# KiCad board Tiling_Flex_V1.kicad_pcb (continued)
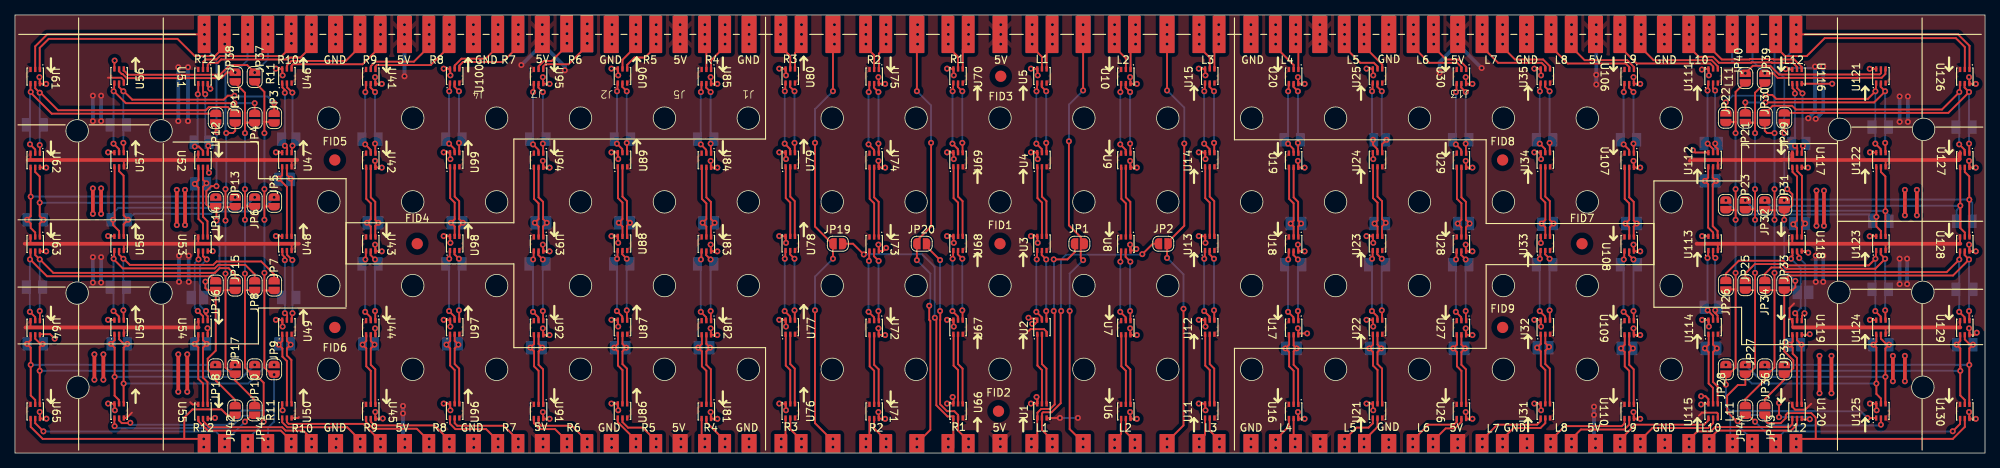
[diagram p0: board, top side]
## Routing (per net, layer and track width the routed paths; a pad name or vN(x,y) marks a point on that pad's centre or on a via; arc(x,y) is an arc through that point) (continued)
Net-(J32-Pin_1): length 2.2
  Top w0.25: U5.4 137.73,53.63
  vias: v1(138.5,57.3) v1(138.5,56) v1(138.5,54.7)
Net-(J32-Pin_2): length 3.2
  Top w0.25: U5.5 137.1,53 136,54.1
  vias: v1(135.8,57.3) v1(135.8,56) v1(135.8,54.7)
Net-(J33-Pin_1): length 57.8
  Top w0.25: v1(142.6,48.5) 142.6,56.1 ; v1(142.6,25.8) 142.28,26.12 142.28,28.88 140.7,30.46 v1(140.7,41.7) ; v1(140.8,19) 140.8,3.2 142.6,1.4
  Bottom w0.25: v1(142.6,48.5) 140.7,46.6 v1(140.7,41.7) ; v1(140.8,19) 140.8,24 v1(142.6,25.8)
  vias: v1(142.6,57.3) v1(142.6,56) v1(142.6,54.7) v1(142.6,1.9) v1(142.6,0.8)
Net-(J33-Pin_2): length 58.4
  Top w0.25: v1(156,19.3) 156,3.7 153.8,1.5 153.8,1.4 ; v1(153.8,48.5) 153.8,56.1 ; v1(153.8,26.1) 153.8,28.1 156.1,30.4 v1(156.1,41.4)
  Bottom w0.25: v1(153.8,48.5) 156.1,46.2 v1(156.1,41.4) ; v1(156,19.3) 156,23.9 v1(153.8,26.1)
  vias: v1(153.8,57.3) v1(153.8,56) v1(153.8,54.7) v1(153.8,1.9) v1(153.8,0.8)
Net-(J35-Pin_1): length 3.1
  Top w0.25: 146.9,1.8 147.67,2.57 U6.4
  vias: v1(146.8,1.8) v1(146.8,0.7)
Net-(J35-Pin_2): length 3.2
  Top w0.25: U6.5 148.3,2.8 149.3,1.8
  vias: v1(149.5,1.8) v1(149.5,0.7)
Net-(J36-Pin_1): length 3.2
  Top w0.25: U10.2 148.3,52.8 147.1,54
  vias: v1(146.8,57.3) v1(146.8,56) v1(146.8,54.7)
Net-(J36-Pin_2): length 4.1
  Top w0.25: U10.1 148.93,55.43
  vias: v1(149.6,57.3) v1(149.6,56) v1(149.6,54.7)
Net-(J37-Pin_1): length 3.4
  Top w0.25: 160.7,1.8 159.5,3 U11.2
  vias: v1(160.8,1.9) v1(160.8,0.8)
Net-(J37-Pin_2): length 3.2
  Top w0.25: U11.1 158.87,2.47 158.2,1.8
  vias: v1(158.1,1.9) v1(158.1,0.8)
Net-(J38-Pin_1): length 4
  Top w0.25: U15.4 160.13,55.33
  vias: v1(160.7,57.3) v1(160.7,56) v1(160.7,54.7)
Net-(J38-Pin_2): length 3.1
  Top w0.25: U15.5 159.5,52.9 158.4,54
  vias: v1(158.1,57.3) v1(158.1,56) v1(158.1,54.7)
Net-(J39-Pin_1): length 3.6
  Top w0.25: U16.4 170.07,3.57 v1(168.3,1.8)
  vias: v1(168.3,0.7)
Net-(J39-Pin_2): length 2.5
  Top w0.25: U16.5 170.7,2.1
  vias: v1(170.9,1.9) v1(170.9,0.8)
Net-(J40-Pin_1): length 3.8
  Top w0.25: U20.2 170.7,51.9 168.4,54.2
  vias: v1(168.3,57.3) v1(168.3,56) v1(168.3,54.7)
Net-(J40-Pin_2): length 4.3
  Top w0.25: U20.1 171.33,55.57
  vias: v1(171,57.3) v1(171,56) v1(171,54.7)
Net-(J41-Pin_1): length 3.5
  Top w0.25: 180.3,1.9 181.9,3.5 U21.2
  vias: v1(180.1,1.9) v1(180.1,0.8)
Net-(J41-Pin_2): length 5.4
  Top w0.25: U21.1 181.27,3.97 180.7,3.4 179.1,3.4 177.5,1.8
  vias: v1(177.5,1.9) v1(177.5,0.8)
Net-(J42-Pin_1): length 3.6
  Top w0.25: 180.4,54.1 182.53,51.97 U25.4
  vias: v1(180.1,57.3) v1(180.1,56) v1(180.1,54.7)
Net-(J42-Pin_2): length 5.7
  Top w0.25: 177.6,54.2 179.6,52.2 181.41,52.2 181.9,51.71 U25.5
  vias: v1(177.5,57.3) v1(177.5,56) v1(177.5,54.7)
Net-(J43-Pin_1): length 7.1
  Top w0.25: U26.4 192.47,4.17 192.1,3.8 188.7,3.8 186.8,1.9
  vias: v1(186.6,1.9) v1(186.6,0.8)
Net-(J43-Pin_2): length 5.2
  Top w0.25: 189.4,1.7 191,3.3 192.24,3.3 193.1,4.16 U26.5
  vias: v1(189.3,1.9) v1(189.3,0.8)
Net-(J44-Pin_1): length 7.8
  Top w0.25: U30.2 193.1,51.64 192.54,52.2 188.8,52.2 186.7,54.3
  vias: v1(186.7,57.3) v1(186.7,56) v1(186.7,54.7)
Net-(J44-Pin_2): length 5.9
  Top w0.25: 189.3,54.4 191.05,52.65 192.73,52.65 193.73,51.65 U30.1
  vias: v1(189.4,57.3) v1(189.4,56) v1(189.4,54.7)
Net-(J45-Pin_1): length 7.3
  Top w0.25: v1(198.6,1.9) 200.05,3.35 203.65,3.35 204.3,4 204.3,4.7
  vias: v1(198.6,0.8)
Net-(J45-Pin_2): length 9.1
  Top w0.25: 196,1.9 197.9,3.8 203.2,3.8 203.67,4.27 U31.1
  vias: v1(195.9,1.9) v1(195.9,0.8)
Net-(J46-Pin_1): length 7.9
  Top w0.25: U35.4 204.93,51.72 204,52.65 200.25,52.65 198.5,54.4
  vias: v1(198.6,57.3) v1(198.6,56) v1(198.6,54.7)
Net-(J46-Pin_2): length 9.8
  Top w0.25: U35.5 204.3,51.71 203.81,52.2 198,52.2 195.9,54.3
  vias: v1(195.9,57.3) v1(195.9,56) v1(195.9,54.7)
Net-(J47-Pin_1): length 10
  Top w0.25: U45.2 47.5,11 46.9,11.6 46.9,14 v1(46.4,14.5) 46.9,15 46.9,15.8
Net-(J48-Pin_1): length 10
  Top w0.25: U110.2 215.5,11 214.9,11.6 214.9,13.5 v1(214.4,14) 214.9,14.5 214.9,15.8
Net-(J49-Pin_1): length 9.3
  Top w0.25: 55.3,54.4 53.25,52.35 48.11,52.35 47.5,51.74 U41.2
  vias: v1(55.3,57.3) v1(55.3,56) v1(55.3,54.7)
Net-(J49-Pin_2): length 11.3
  Top w0.25: U41.1 48.13,51.73 48.3,51.9 55.5,51.9 57.9,54.3
  vias: v1(58,57.3) v1(58,56) v1(58,54.7)
Net-(J50-Pin_1): length 9.6
  Top w0.25: 55.1,1.8 53.65,3.25 47.81,3.25 46.87,4.19 U45.4
  vias: v1(55.3,1.9) v1(55.3,0.8)
Net-(J50-Pin_2): length 11.7
  Top w0.25: 57.8,1.9 56,3.7 48,3.7 47.5,4.2 U45.5
  vias: v1(58,1.9) v1(58,0.8)
Net-(J51-Pin_1): length 13.4
  Top w0.25: U46.4 36.93,51.83 37.1,52 46.4,52 48.8,54.4
  vias: v1(48.8,57.3) v1(48.8,56) v1(48.8,54.7)
Net-(J51-Pin_2): length 11.3
  Top w0.25: 46.1,54.4 44.15,52.45 36.91,52.45 36.3,51.84 U46.5
  vias: v1(46.1,57.3) v1(46.1,56) v1(46.1,54.7)
Net-(J52-Pin_1): length 13.7
  Top w0.25: 48.5,1.9 46.5,3.9 36.54,3.9 36.3,4.14 U50.2
  vias: v1(48.8,1.9) v1(48.8,0.8)
Net-(J52-Pin_2): length 11.9
  Top w0.25: 46,1.8 44.35,3.45 36.35,3.45 35.67,4.13 U50.1
  vias: v1(46.1,1.9) v1(46.1,0.8)
Net-(J53-Pin_1): length 13.6
  Top w0.25: 25.1,51.3 25.1,52.3 25.45,52.65 26.89,52.65 27.34,53.1 35.6,53.1 36.85,54.35
  vias: v1(36.9,57.4) v1(36.9,56.1) v1(36.9,54.8)
Net-(J53-Pin_2): length 15.2
  Top w0.25: U51.1 25.73,51.93 26,52.2 27.07,52.2 27.52,52.65 36.45,52.65 36.7,52.9 38.1,52.9 39.4,54.2
  vias: v1(39.6,57.3) v1(39.6,56) v1(39.6,54.7)
Net-(J54-Pin_1): length 13.5
  Top w0.25: 36.6,1.9 35.5,3 25.75,3 24.47,4.28 U55.4
  vias: v1(36.9,1.9) v1(36.9,0.8)
Net-(J54-Pin_2): length 15.8
  Top w0.25: 25.1,4.6 25.1,4.29 25.94,3.45 35.69,3.45 36.14,3 38.5,3 v1(39.6,1.9)
  vias: v1(39.6,0.8)
Net-(J55-Pin_1): length 24.5
  Top w0.25: 14.53,51.17 15.1,50.6 27.36,50.6 28.66,51.9 31,51.9 v1(32,50.9)
  Bottom w0.25: J55.1 33.75,52.65 v1(32,50.9)
  vias: v1(33.8,57.3) v1(33.8,56) v1(33.8,54.7)
Net-(J55-Pin_2): length 22.3
  Top w0.25: U56.5 13.9,51.05 14.24,50.7 14.36,50.7 14.91,50.15 27.55,50.15 28.3,50.9 v1(29.4,50.9)
  Bottom w0.25: J55.2 31.05,52.55 v1(29.4,50.9)
  vias: v1(31.1,57.3) v1(31.1,56) v1(31.1,54.7)
Net-(J56-Pin_1): length 74.8
  Top w0.25: 33.3,44.3 33.3,48.3 32,49.6 ; 33.3,44.3 34.6,44.3 ; 33.3,44.3 v1(33.3,42.8) ; 33.4,33 34.6,33 ; JP7.2 33.35,21.75 33.3,21.8 ; 34.19,10.55 33.3,11.44 v1(33.3,24.1) ; v1(33.3,35.3) v1(33.3,31.2) ; U60.2 13.9,4.36 14.26,4 15.4,4
  Bottom w0.25: v1(33.3,42.8) v1(33.3,35.3) ; v1(33.3,24.1) v1(33.3,31.2) ; 34.6,5.7 34.6,4.2 33.8,3.4 v1(33.8,1.9) ; 34.6,5.7 v1(34.6,10.5) ; 34.6,5.7 30.3,5.7 28.38,3.78 15.72,3.78 15.45,4.05
  vias: v1(15.4,4.05) v1(33.8,0.8)
Net-(J56-Pin_2): length 75.9
  Top w0.25: 32,21.8 30.8,21.8 30.7,21.7 ; 29.4,49.5 30.7,48.2 30.7,44.2 ; 30.7,21.7 v1(30.7,24) ; 30.7,21.7 30.7,11.44 31.59,10.55 ; 30.8,33 32,33 ; 30.7,44.2 v1(30.7,42.8) ; 30.7,44.2 32,44.2 ; U60.1 13.27,3.63 ; v1(30.7,35.3) v1(30.7,31.2) ; 32,10.6 33.2,9.4 v1(33.2,4.2)
  Bottom w0.25: v1(13.3,3.6) 13.58,3.32 28.71,3.32 30.39,5 32.4,5 v1(33.2,4.2) 33.2,4 v1(31.1,1.9) ; v1(30.7,24) v1(30.7,31.2) ; v1(30.7,42.8) v1(30.7,35.3)
  vias: v1(31.1,0.8)
Net-(J57-Pin_1): length 82
  Top w0.25: v1(27,42.9) 26.8,43.1 26.8,44.2 ; 2.7,51.3 2.7,54.4 4.3,56 J57.1 ; 26.9,32.45 v1(26.9,31.1) ; JP18.2 26.8,9.7 29.4,7.1 29.4,6.3 ; JP14.2 25.85,32.95 25.55,33.25 25.55,35.05 26.2,35.7 v1(26.9,35.7) ; 26.39,10.55 25.72,11.22 25.72,12.62 26.8,13.7 26.8,21.8 25.7,21.8 25.42,22.08 v1(25.42,22.93)
  Bottom w0.25: v1(26.9,35.7) 26.9,42.8 v1(27,42.9) 26.9,43 26.9,52.7 25.25,54.35 ; v1(26.9,31.1) 27.3,30.7 27.3,24.8 25.4,22.9
  vias: v1(25.3,57.3) v1(25.3,56) v1(25.3,54.7)
Net-(J57-Pin_2): length 85
  Top w0.25: 28.1,21.8 28.1,11.44 28.99,10.55 ; 28.1,21.8 29.4,21.8 ; 28.1,21.8 v1(28.1,24) ; JP17.1 29.4,9.7 32,7.1 32,6.3 ; 28.1,42.8 29.1,42.8 29.4,43.1 29.4,44.2 ; 3.3,51.3 3.3,54.2 4.5,55.4 21.7,55.4 24,53.1 26.7,53.1 27.4,53.8 ; 28.1,32.9 29.5,32.9 ; v1(28.1,35.3) v1(28.1,31.1)
  Bottom w0.25: v1(28.1,35.3) 28.2,35.4 v1(28.2,42.8) 28.1,42.9 28.1,55.85 ; v1(28.1,31.1) v1(28.1,24)
  vias: v1(28,57.3) v1(28,56) v1(28,54.7)
Net-(J58-Pin_1): length 35.4
  Top w0.25: JP42.1 28.35,5.05 27.56,5.84 23.69,5.84 22.6,4.75 22.6,1.9 ; v1(25.2,1.9) 3.7,1.9 2.1,3.5 2.1,4.7
  vias: v1(25.2,0.8)
Net-(J58-Pin_2): length 31
  Top w0.25: v1(3.8,2.9) 2.7,4 U65.5 ; v1(30.7,4.2) 31.55,5.05
  Bottom w0.25: v1(30.7,4.2) 28.4,1.9 ; 27.8,1.9 26.83,2.88 3.83,2.88 v1(3.8,2.9)
  vias: v1(28,1.9) v1(28,0.8)
Net-(J59-Pin_1): length 28.9
  Top w0.25: U66.2 125.9,3 127.2,1.7 ; v1(123.5,25.81) 121.7,27.61 ; v1(123.5,19) 123.53,18.97 123.53,17.8 123.5,17.77 123.5,6.52 124.42,5.6 125.4,5.6 125.9,5.1 125.9,4.6
  Bottom w0.25: v1(123.5,25.81) v1(123.5,19)
  vias: v1(127.3,1.9) v1(127.3,0.8)
Net-(J59-Pin_2): length 39.1
  Top w0.25: U66.1 125.27,0.67 ; v1(113.32,26.56) 111.88,28 JP19.1 ; 125.3,4.9 124.49,4.9 123,6.39 123,17.9 v1(122.8,18.1)
  Bottom w0.25: v1(122.8,18.1) 122.78,18.12 122.78,24.93 121.1,26.6 113.35,26.6 v1(113.32,26.56)
  vias: v1(124.6,1.9) v1(124.6,0.8)
Net-(J60-Pin_1): length 2.6
  Top w0.25: U70.4 126.53,53.93
  vias: v1(127.3,57.3) v1(127.3,56) v1(127.3,54.7)
Net-(J60-Pin_2): length 3.2
  Top w0.25: U70.5 125.9,53 124.8,54.1
  vias: v1(124.6,57.3) v1(124.6,56) v1(124.6,54.7)
Net-(J61-Pin_1): length 58.7
  Top w0.25: v1(109.2,26) 109.2,27.9 106.8,30.3 v1(106.8,41.5) ; v1(109.2,48.4) J61.1 ; J62.1 109.2,1.6 106.8,4 v1(106.8,19.1)
  Bottom w0.25: v1(109.2,48.4) 106.8,46 v1(106.8,41.5) ; v1(106.8,19.1) 106.8,23.6 v1(109.2,26)
  vias: v1(109.2,1.9) v1(109.2,0.8) v1(109.4,57.3) v1(109.4,56) v1(109.4,54.7)
Net-(J61-Pin_2): length 57.9
  Top w0.25: v1(122.05,19.7) 122.05,17.82 122.2,17.67 122.2,3.1 J62.2 ; v1(120.4,25.8) 120.4,28.41 122.3,30.31 v1(122.3,41.5) ; v1(120.4,48.4) J61.2
  Bottom w0.25: v1(122.3,41.5) 122.3,46.5 v1(120.4,48.4) ; v1(122.05,19.7) 122.2,19.85 122.2,24 v1(120.4,25.8)
  vias: v1(120.4,1.9) v1(120.4,0.8) v1(120.5,57.3) v1(120.5,56) v1(120.5,54.7)
Net-(J63-Pin_1): length 2.2
  Top w0.25: U71.4 114.07,2.37
  vias: v1(113.6,1.9) v1(113.6,0.8)
Net-(J63-Pin_2): length 3.3
  Top w0.25: U71.5 114.7,3.3 116.1,1.9
  vias: v1(116.3,1.9) v1(116.3,0.8)
Net-(J64-Pin_1): length 3.3
  Top w0.25: U75.2 114.7,53.2 113.7,54.2
  vias: v1(113.6,57.3) v1(113.6,56) v1(113.6,54.7)
Net-(J64-Pin_2): length 3.4
  Top w0.25: U75.1 115.33,53.43 116.2,54.3
  vias: v1(116.3,57.3) v1(116.3,56) v1(116.3,54.7)
Net-(J65-Pin_1): length 3.5
  Top w0.25: U76.2 103.5,3.2 104.9,1.8
  vias: v1(105,1.9) v1(105,0.8)
Net-(J65-Pin_2): length 3.2
  Top w0.25: U76.1 102.87,2.47 102.2,1.8
  vias: v1(102.3,1.9) v1(102.3,0.8)
Net-(J66-Pin_1): length 3.1
  Top w0.25: U80.4 104.13,53.53 104.8,54.2
  vias: v1(105,57.3) v1(105,56) v1(105,54.7)
Net-(J66-Pin_2): length 3.4
  Top w0.25: 102.3,54.3 103.5,53.1 U80.5
  vias: v1(102.2,57.3) v1(102.2,56) v1(102.2,54.7)
Net-(J67-Pin_1): length 2.3
  Top w0.25: U81.4 91.67,2.33
  vias: v1(92.1,1.9) v1(92.1,0.8)
Net-(J67-Pin_2): length 3.6
  Top w0.25: U81.5 92.3,4.12 94.52,1.9
  vias: v1(94.8,1.9) v1(94.8,0.8)
Net-(J68-Pin_1): length 4.5
  Top w0.25: U85.2 92.3,55.8
  vias: v1(92.1,57.3) v1(92.1,56) v1(92.1,54.7)
Net-(J68-Pin_2): length 3.7
  Top w0.25: 94.7,54.3 92.93,52.53 U85.1
  vias: v1(94.8,57.3) v1(94.8,56) v1(94.8,54.7)
Net-(J69-Pin_1): length 5.8
  Top w0.25: 85.4,1.8 83.8,3.4 81.84,3.4 81.1,4.14 U86.2
  vias: v1(85.6,1.9) v1(85.6,0.8)
Net-(J69-Pin_2): length 4
  Top w0.25: U86.1 80.47,4.13 82.9,1.7
  vias: v1(82.9,1.9) v1(82.9,0.8)
Net-(J70-Pin_1): length 5.3
  Top w0.25: 85.5,54.3 84.1,52.9 82.7,52.9 81.73,51.93 U90.4
  vias: v1(85.6,57.3) v1(85.6,56) v1(85.6,54.7)
Net-(J70-Pin_2): length 3.6
  Top w0.25: 82.8,54.3 81.1,52.6 U90.5
  vias: v1(82.9,57.3) v1(82.9,56) v1(82.9,54.7)
Net-(J71-Pin_1): length 5.6
  Top w0.25: U91.4 69.27,3.99 70.06,3.2 72.1,3.2 73.4,1.9
  vias: v1(73.7,1.9) v1(73.7,0.8)
Net-(J71-Pin_2): length 7.8
  Top w0.25: 76.2,1.8 74.35,3.65 70.25,3.65 69.9,4 U91.5
  vias: v1(76.4,1.9) v1(76.4,0.8)
Net-(J72-Pin_1): length 5.2
  Top w0.25: 73.6,54.4 71.65,52.45 70.61,52.45 69.9,51.74 U95.2
  vias: v1(73.7,57.4) v1(73.7,56.1) v1(73.7,54.8)
Net-(J72-Pin_2): length 7.4
  Top w0.25: U95.1 70.53,51.73 70.8,52 73.9,52 76.4,54.5
  vias: v1(76.4,57.4) v1(76.4,56.1) v1(76.4,54.8)
Net-(J73-Pin_1): length 10
  Top w0.25: 67.1,1.8 65.25,3.65 59.05,3.65 58.7,4 U96.2
  vias: v1(67.2,1.9) v1(67.2,0.8)
Net-(J73-Pin_2): length 7.7
  Top w0.25: U96.1 58.07,3.93 58.8,3.2 62.9,3.2 64.2,1.9
  vias: v1(64.5,1.9) v1(64.5,0.8)
Net-(J74-Pin_1): length 9.4
  Top w0.25: U100.4 59.33,51.83 59.8,52.3 65.1,52.3 67.2,54.4
  vias: v1(67.2,57.3) v1(67.2,56) v1(67.2,54.7)
Net-(J74-Pin_2): length 7.2
  Top w0.25: 64.4,54.3 62.85,52.75 59.61,52.75 58.7,51.84 U100.5
  vias: v1(64.5,57.3) v1(64.5,56) v1(64.5,54.7)
Net-(J75-Pin_1): length 10
  Top w0.25: 48.1,6.5 48.1,11.2 47.5,11.8 47.5,14 v1(48,14.5) 47.5,15 U44.5
Net-(J76-Pin_1): length 10
  Top w0.25: U109.5 215.5,14.5 v1(216,14) 215.5,13.5 215.5,11.8 216.1,11.2 216.1,6.5
Net-(J77-Pin_1): length 11.8
  Top w0.25: U106.2 215.5,51.64 215.04,52.1 207.3,52.1 205.1,54.3
  vias: v1(205.1,57.3) v1(205.1,56) v1(205.1,54.7)
Net-(J77-Pin_2): length 9.8
  Top w0.25: 207.8,54.3 209.55,52.55 215.23,52.55 216.13,51.65 U106.1
  vias: v1(207.8,57.3) v1(207.8,56) v1(207.8,54.7)
Net-(J78-Pin_1): length 11.3
  Top w0.25: U110.4 214.87,3.97 214.5,3.6 206.9,3.6 205.1,1.8
  vias: v1(205,1.9) v1(205,0.8)
Net-(J78-Pin_2): length 9.3
  Top w0.25: v1(207.8,1.9) 209.05,3.15 214.85,3.15 215.5,3.8 215.5,4.6
  vias: v1(207.8,0.8)
Net-(J79-Pin_1): length 11.7
  Top w0.25: 217,54.3 218.75,52.55 226.5,52.55 227.33,51.72 U111.4
  vias: v1(217.1,57.3) v1(217.1,56) v1(217.1,54.7)
Net-(J79-Pin_2): length 13.7
  Top w0.25: U111.5 226.7,51.71 226.31,52.1 216.5,52.1 214.4,54.2
  vias: v1(214.3,57.3) v1(214.3,56) v1(214.3,54.7)
Net-(J80-Pin_1): length 11.1
  Top w0.25: 217.15,1.9 218.6,3.35 226.05,3.35 226.7,4 226.7,4.7
  vias: v1(217,1.9) v1(217,0.8)
Net-(J80-Pin_2): length 13
  Top w0.25: 214.4,1.9 216.3,3.8 225.5,3.8 226.1,4.4 226.1,4.7
  vias: v1(214.3,1.9) v1(214.3,0.8)
Net-(J81-Pin_1): length 15.9
  Top w0.25: 223.5,54.3 224.8,53 226.68,53 227.48,52.2 231.76,52.2 231.81,52.25 234.52,52.25 234.57,52.2 237.34,52.2 237.9,51.64 U116.2
  vias: v1(223.5,57.3) v1(223.5,56) v1(223.5,54.7)
Net-(J81-Pin_2): length 13.9
  Top w0.25: 226.1,54.4 227.85,52.65 231.58,52.65 231.63,52.7 234.71,52.7 234.76,52.65 237.53,52.65 238.53,51.65 U116.1
  vias: v1(226.2,57.3) v1(226.2,56) v1(226.2,54.7)
Net-(J82-Pin_1): length 15.4
  Top w0.25: 223.5,1.8 224.6,2.9 226.4,2.9 226.98,3.47 236.88,3.47 237.27,3.87 U120.4
  vias: v1(223.5,1.9) v1(223.5,0.8)
Net-(J82-Pin_2): length 13.3
  Top w0.25: 237.9,4.6 237.9,3.8 237.1,3 227.3,3 v1(226.2,1.9)
  vias: v1(226.2,0.8)
Net-(J83-Pin_1): length 23.2
  Top w0.25: v1(233.6,50.8) 234.7,50.8 235.31,50.19 245.92,50.19 245.94,50.2 249.2,50.2 249.7,50.7 249.7,51.4
  Bottom w0.25: J83.1 231.95,52.45 v1(233.6,50.8)
  vias: v1(232,57.3) v1(232,56) v1(232,54.7)
Net-(J83-Pin_2): length 25.6
  Top w0.25: 245.75,50.65 248.95,50.65 249.1,50.8 U121.5 ; v1(231,50.8) 232,51.8 234.34,51.8 235.5,50.64 245.74,50.64
  Bottom w0.25: v1(231,50.8) 230.9,50.8 229.25,52.45 J83.2
  vias: v1(229.3,57.3) v1(229.3,56) v1(229.3,54.7)
Net-(J84-Pin_1): length 76.5
  Top w0.25: 232.3,44.2 232.3,48.2 JP39.2 ; 232.3,44.2 JP21.2 ; 232.3,44.2 v1(232.3,42.8) ; 232.3,32.6 v1(232.3,31.2) ; 232.3,32.6 v1(232.3,35.3) ; 232.3,32.6 231,32.6 ; U125.2 v1(249.1,3.8) ; 231.36,10.5 232.3,11.44 232.3,21.8 ; v1(229.97,4.27) 229.83,4.27 228.57,5.53 228.57,7.68 230,9.1 231,9.1 ; 232.3,21.8 JP25.2 ; 232.3,21.8 v1(232.3,24.1) ; 231,10.6 231,9.15
  Bottom w0.25: v1(249.1,3.8) 249,3.7 234.2,3.7 232.8,5.1 230.8,5.1 v1(229.97,4.27) 229.97,3.73 231.8,1.9 ; v1(232.3,35.3) v1(232.3,42.8) ; v1(232.3,24.1) v1(232.3,31.2)
  vias: v1(231.9,1.9) v1(231.9,0.8)
Net-(J84-Pin_2): length 72.3
  Top w0.25: v1(229.7,35.3) 229.7,32.5 ; 229.7,32.5 228.4,32.5 ; 229.7,32.5 v1(229.7,31.2) ; 228.81,10.55 229.7,11.44 229.7,21.9 ; 229.7,44.3 229.7,48.3 231,49.6 ; 229.7,44.3 v1(229.7,42.8) ; 229.7,44.3 228.4,44.3 ; v1(247.3,4.7) 248.46,4.7 ; 228.4,10.6 v1(228.4,9.15) ; 229.7,21.9 228.4,21.9 ; 229.7,21.9 v1(229.7,24.1)
  Bottom w0.25: 229,5.6 246.4,5.6 v1(247.3,4.7) ; 229,5.6 229,2.2 ; 229,5.6 228.4,6.2 228.4,9.1 ; v1(229.7,42.8) v1(229.7,35.3) ; v1(229.7,31.2) v1(229.7,24.1)
  vias: v1(229.3,1.9) v1(229.3,0.8)
Net-(J85-Pin_1): length 86.2
  Top w0.25: 234.9,21.8 v1(234.9,24.1) ; 234.9,21.8 233.7,21.8 ; 234.9,21.8 234.9,11.44 234.01,10.55 ; 235.05,54.35 236.3,53.1 239.2,53.1 241.6,55.5 259.1,55.5 260.3,54.3 260.3,51.3 ; 234.9,32.5 v1(234.9,35.3) ; 234.9,32.5 233.6,32.5 ; 234.9,32.5 v1(234.9,31.2) ; v1(234.9,42.8) 233.9,42.8 233.6,43.1 JP30.2 ; JP44.2 231,7.2 233.6,9.8 JP36.2
  Bottom w0.25: 234.9,55.85 v1(234.9,42.8) v1(234.9,35.3) ; v1(234.9,31.2) v1(234.9,24.1)
  vias: v1(235.1,57.3) v1(235.1,56) v1(235.1,54.7)
Net-(J85-Pin_2): length 81.5
  Top w0.25: 260.93,51.49 260.93,54.47 259.4,56 v1(237.8,56) ; JP29.2 v1(236.2,42.8) ; 236.66,10.6 237.4,11.34 237.4,12.4 236.2,13.6 JP33.2 ; v1(236.6,35.3) 237.27,34.62 237.27,33.17 236.6,32.5 ; v1(237.68,23.03) 237.68,22.18 237.3,21.8 236.3,21.8 ; 236.2,10.5 236.2,9.8 233.6,7.2 JP43.2 ; JP31.2 v1(236.2,31.2)
  Bottom w0.25: v1(236.6,35.3) 236.2,35.7 v1(236.2,42.8) 236.2,50.2 235.6,50.8 235.6,52.1 237.75,54.25 ; v1(236.2,31.2) 236.2,24.5 237.7,23
  vias: v1(237.8,57.3) v1(237.8,54.7)
Net-(J86-Pin_1): length 30.5
  Top w0.25: v1(232.3,4.2) 231.45,5.05 ; v1(258.69,2.91) 259.67,3.89 U130.4
  Bottom w0.25: 235.2,1.9 236.18,2.88 258.65,2.88 v1(258.69,2.91) ; v1(232.3,4.2) 234.6,1.9
  vias: v1(235.1,1.9) v1(235.1,0.8)
Net-(J86-Pin_2): length 35.7
  Top w0.25: 240.4,1.9 240.4,4.75 239.8,5.35 ; v1(237.8,1.9) 258.7,1.9 260.3,3.5 260.3,4.6 ; 239.75,5.35 236.65,5.35 236.4,5.1 236.4,4.67 235.73,4 234,4 233.6,4.4 JP43.1
  vias: v1(237.8,0.8)
Net-(J87-Pin_1): length 9.5
  Top w0.25: v1(46.75,18.89) 46.75,18.89 47.47,18.17 47.47,17.7 ; 46.84,27.01 46.84,26.06 46.77,25.99
  Bottom w0.25: v1(46.75,18.89) 46.75,25.87
  vias: v1(46.77,25.89)
Net-(J88-Pin_1): length 9.6
  Top w0.25: v1(48.07,18.99) 48.1,18.96 48.1,17.7 ; v1(48.07,25.89) 47.47,26.49 47.47,27.01
  Bottom w0.25: v1(48.07,25.89) v1(48.07,18.99)
Net-(J89-Pin_1): length 9.5
  Top w0.25: v1(214.75,18.89) 214.75,18.89 215.47,18.17 215.47,17.7 ; 214.77,25.99 214.84,26.06 214.84,27.01
  Bottom w0.25: v1(214.75,18.89) 214.75,25.87
  vias: v1(214.77,25.89)
Net-(J90-Pin_1): length 9.6
  Top w0.25: v1(216.07,25.89) 215.47,26.49 215.47,27.01 ; v1(216.07,18.99) 216.1,18.96 216.1,17.7
  Bottom w0.25: v1(216.07,25.89) v1(216.07,18.99)
Net-(J91-Pin_1): length 10
  Top w0.25: 46.9,38.2 46.9,34 47.5,33.4 47.5,31.3 v1(47,30.8) 47.5,30.3 U43.2
Net-(J92-Pin_1): length 9.9
  Top w0.25: 48.1,28.9 48.1,30.4 v1(48.5,30.8) 48.1,31.2 48.1,33.6 47.5,34.2 U42.5
Net-(J93-Pin_1): length 10
  Top w0.25: U108.2 215.5,30.2 v1(215,30.7) 215.5,31.2 215.5,33.4 214.9,34 214.9,38.2
Net-(J94-Pin_1): length 9.9
  Top w0.25: 216.1,28.9 216.1,30.3 v1(216.5,30.7) 216.1,31.1 216.1,33.6 215.5,34.2 U107.5
Net-(J95-Pin_1): length 9.5
  Top w0.25: 46.84,49.41 46.84,48.46 46.77,48.39 ; 46.75,41.29 47.47,40.57 47.47,40.1
  Bottom w0.25: v1(46.77,48.29) 46.75,48.27 v1(46.75,41.29)
Net-(J96-Pin_1): length 9.6
  Top w0.25: v1(48.07,48.29) 47.47,48.89 47.47,49.41 ; v1(48.07,41.39) 48.1,41.36 48.1,40.1
  Bottom w0.25: v1(48.07,48.29) v1(48.07,41.39)
Net-(J97-Pin_1): length 9.5
  Top w0.25: 214.77,48.39 214.84,48.46 214.84,49.41 ; v1(214.75,41.29) 214.75,41.29 215.47,40.57 215.47,40.1
  Bottom w0.25: v1(214.77,48.29) 214.75,48.27 v1(214.75,41.29)
Net-(J98-Pin_1): length 9.6
  Top w0.25: 216.1,40.1 216.1,41.36 v1(216.07,41.39) ; 215.47,49.41 215.47,48.89 v1(216.07,48.29)
  Bottom w0.25: v1(216.07,48.29) v1(216.07,41.39)
Net-(J99-Pin_1): length 9.9
  Top w0.25: 36.3,6.6 36.3,12.3 35.7,12.9 35.7,14 v1(35.2,14.5) 35.7,15 35.7,15.8
Net-(J100-Pin_1): length 9.7
  Top w0.25: 36.3,15.8 36.3,15 v1(36.8,14.5) 36.3,14 36.3,13.05 36.9,12.45 36.9,6.8
Net-(J101-Pin_1): length 10
  Top w0.25: 226.1,15.9 226.1,14.5 v1(225.6,14) 226.1,13.5 226.1,9.3 226.67,8.73 226.67,6.6
Net-(J102-Pin_1): length 10
  Top w0.25: 226.7,15.9 226.7,14.5 v1(227.2,14) 226.7,13.5 226.7,9.5 227.3,8.9 227.3,6.6
Net-(J103-Pin_1): length 9.6
  Top w0.25: 35.7,27.1 35.7,26.5 36.02,26.19 v1(36.02,25.8) ; v1(36.03,18.71) 36.33,18.41 36.33,17.79
  Bottom w0.25: v1(36.03,18.71) 36.03,25.79 v1(36.02,25.8)
Net-(J104-Pin_1): length 9.6
  Top w0.25: v1(37.05,18.71) 36.96,18.63 36.96,17.79 ; v1(37.03,25.81) 36.33,26.51 36.33,27.1
  Bottom w0.25: v1(37.05,18.71) 37.05,25.79 v1(37.03,25.81)
Net-(J105-Pin_1): length 9.6
  Top w0.25: 226.04,27.11 226.04,26.19 v1(225.95,26.1) ; 226.67,17.8 226.67,18.39 v1(225.97,19.09)
  Bottom w0.25: v1(225.95,26.1) 225.95,19.11
Net-(J106-Pin_1): length 9.7
  Top w0.25: v1(226.98,19.1) 226.98,18.71 227.3,18.4 227.3,17.8 ; 226.67,27.11 226.67,26.43 v1(227,26.1)
  Bottom w0.25: 226.97,19.11 226.97,26.19
Net-(J107-Pin_1): length 9.9
  Top w0.25: U47.1 35.67,37.17 v1(35.2,36.7) 36.3,35.6 36.3,29
Net-(J108-Pin_1): length 9.5
  Top w0.25: U48.4 36.93,36.67 36.9,36.7 v1(36.8,36.7) 36.3,37.2 36.3,38.2
Net-(J109-Pin_1): length 10
  Top w0.25: 226.7,28.9 226.7,29.5 226.04,30.16 226.04,35.96 v1(225.6,36.4) 226.04,36.84 226.04,38.31
Net-(J110-Pin_1): length 10
  Top w0.25: 227.3,29 227.3,29.7 226.65,30.35 226.65,35.95 v1(227.1,36.4) 226.65,36.85 226.65,38.35
Net-(J111-Pin_1): length 9.6
  Top w0.25: v1(36.02,48.2) 36.02,48.59 35.7,48.9 35.7,49.5 ; 36.33,40.19 36.33,40.81 v1(36.03,41.11)
  Bottom w0.25: 36.03,48.19 v1(36.03,41.11)
Net-(J112-Pin_1): length 9.6
  Top w0.25: 36.96,40.19 36.96,41.03 v1(37.05,41.11) ; v1(37.03,48.21) 36.33,48.91 36.33,49.5
  Bottom w0.25: v1(37.03,48.21) 37.05,48.19 v1(37.05,41.11)
Net-(J113-Pin_1): length 9.6
  Top w0.25: v1(225.95,48.49) 226.04,48.57 226.04,49.41 ; v1(225.97,41.39) 226.67,40.69 226.67,40.1
  Bottom w0.25: 225.95,41.41 v1(225.95,48.49)
Net-(J114-Pin_1): length 9.6
  Top w0.25: v1(226.98,41.4) 226.98,41.01 227.3,40.7 227.3,40.1 ; v1(226.97,48.49) 226.67,48.79 226.67,49.41
  Bottom w0.25: 226.97,41.41 v1(226.97,48.49)
Net-(J115-Pin_1): length 10.3
  Top w0.25: 24.47,49.41 24.47,48.07 v1(24.4,48) ; v1(24,41) 24.54,41 25.1,40.44 25.1,40.1
  Bottom w0.25: v1(24,41) 24.38,41.38 24.38,47.98 v1(24.4,48)
Net-(J116-Pin_1): length 9.6
  Top w0.25: 25.73,40.1 25.73,40.7 25.8,40.77 v1(25.8,41.1) ; v1(25.4,48) 25.4,48 25.1,48.3 25.1,49.41
  Bottom w0.25: 25.4,48 25.4,41.5 v1(25.8,41.1)
Net-(J117-Pin_1): length 9.8
  Top w0.25: 237.93,40.09 237.93,40.8 v1(237.63,41.1) 237.74,41.1 237.73,41.11 ; 237.3,49.4 237.3,48.8 237.62,48.49 v1(237.62,48.1)
  Bottom w0.25: 237.63,41.01 237.63,48.09 v1(237.62,48.1)
Net-(J118-Pin_1): length 9.6
  Top w0.25: 238.56,40.09 238.56,40.96 v1(238.7,41.1) ; 237.93,49.4 237.93,48.81 v1(238.63,48.11)
  Bottom w0.25: v1(238.63,48.11) 238.65,48.09 238.65,41.15
Net-(J119-Pin_1): length 10
  Top w0.25: U53.2 25.1,30.7 24.5,31.3 24.5,35.5 v1(24,36) 24.5,36.5 24.5,38.2
Net-(J120-Pin_1): length 10
  Top w0.25: 25.7,28.9 25.7,31 25.1,31.6 25.1,35.62 v1(25.56,36.09) 25.1,36.55 U52.5
Net-(J121-Pin_1): length 10.2
  Top w0.25: 237.9,28.8 237.9,30.1 v1(237.4,30.6) 237.9,31.1 237.9,37 237.3,37.6 237.3,38.3
Net-(J122-Pin_1): length 9.9
  Top w0.25: 238.56,28.99 238.56,30.26 v1(239,30.7) 238.56,31.14 238.56,37.08 237.93,37.71 237.93,38.3
Net-(J123-Pin_1): length 9.8
  Top w0.25: v1(24.4,19) 25.1,18.3 U54.2 ; 24.47,25.93 U53.4
  Bottom w0.25: v1(24.4,19) 24,19.4 24,25.4 24.4,25.8
  vias: v1(24.5,25.9)
Net-(J124-Pin_1): length 11.2
  Top w0.25: v1(25.5,19) 25.41,18.62 25.73,18.31 U54.1 ; U53.5 25.1,26.33 25.53,25.9 v1(25.6,25.9) 25.1,26.4
  Bottom w0.25: v1(25.6,25.9) 24.7,25 24.7,19.73 25.43,19 v1(25.5,19)
Net-(J125-Pin_1): length 10.7
  Top w0.25: 237.3,27 237.3,26.4 237.1,26.2 v1(237.1,26) 237.2,26 237.3,26.1 ; 237.93,17.69 237.93,18.47 237.7,18.7
  Bottom w0.25: 237.63,18.62 238.4,19.39 238.4,24.7 v1(237.1,26)
  vias: v1(237.65,18.7)
Net-(J126-Pin_1): length 9.9